# KiCad board radioboard_dev.kicad_pcb (continued)
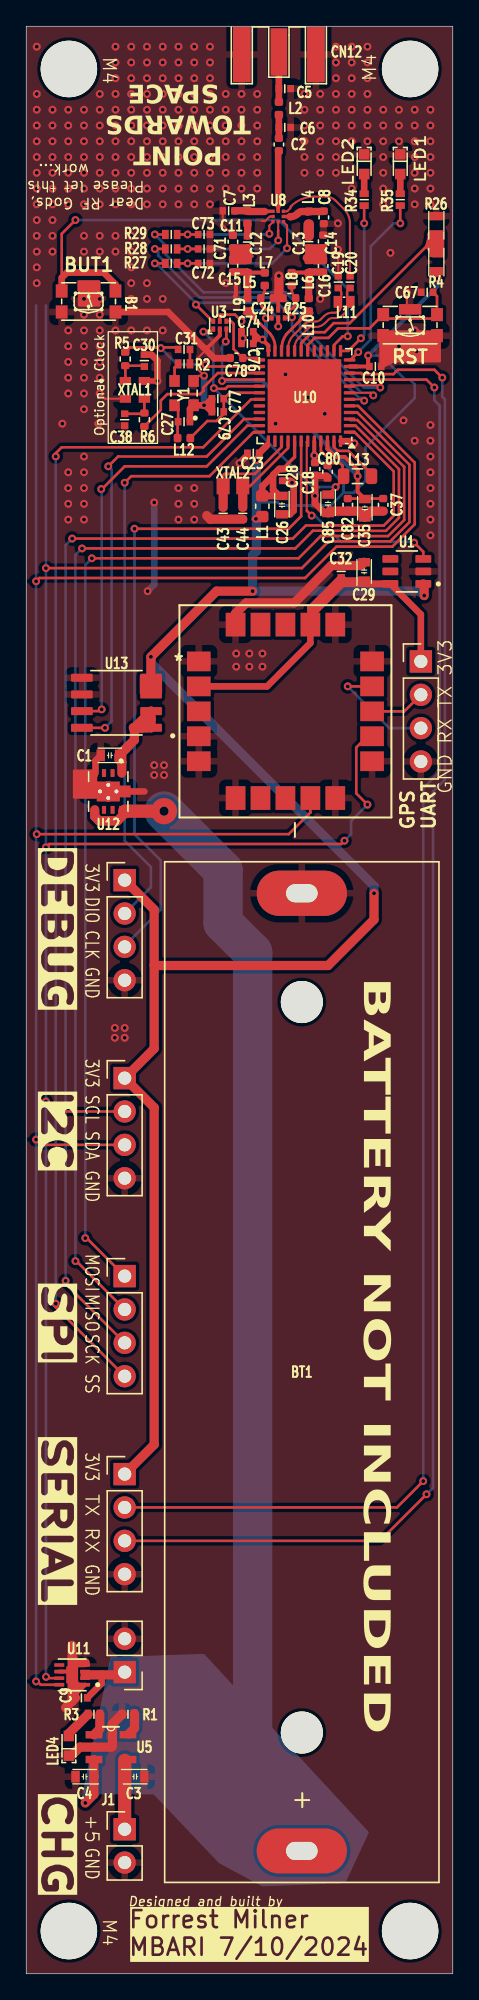
[diagram p0: board, top side]
## Nets
+3.3V: C10.1 C18.1 C23.1 J4.1 J6.1 J9.1 L1.1 R4.1 U1.1 U10.11 U10.37 U10.44 U13.3 U13.4
+5V: C3.2 J1.1 U5.4
GND: B1.2 B1.4 B1.5 B4.2 B4.4 B4.5 BT1.N C1.1 C3.1 C4.1 C5.1 C6.1 C7.1 C8.1 C9.2 C10.2 C11.1 C14.1 C18.2 C19.1 C23.2 C24.2 C25.2 C26.1 C27.1 C28.1 C29.1 C30.1 C32.2 C35.1 C37.2 C38.1 C43.2 C44.2 C67.1 C71.1 C72.1 C73.1 C74.1 C76.1 C77.2 C78.1 C79.1 C80.2 C82.1 C85.1 CN12.2 CN12.3 CN12.4 CN12.5 J1.2 J2.2 J3.4 J4.4 J6.4 J9.4 LED1.2 LED2.2 LED4.2 R1.2 R26.1 U1.2 U2.1 U2.4 U2.5 U2.6 U2.10 U2.11 U2.15 U2.16 U2.20 U3.2 U4.2 U5.2 U8.8 U10.48 U10.49 U11.1 U11.4 U11.6 U11.9 U12.4 U12.9 U13.5 U13.6 XTAL1.2 XTAL1.4 Y1.1 Y1.2
VBAT: BT1.P C4.2 C9.1 J2.1 U5.3 U11.2 U11.3 U12.5 U12.8
VDD_APP: U3.5 U4.5
VDDPA: C78.2 U3.4 U10.25
VDDRF: C35.2 C37.1 C82.2 U3.3 U10.28 U10.46
VDDRF1V55: C80.1 C85.2 L13.1 U3.1 U10.29 U10.45
/microcontroller_IOs/OSC32_IN: C43.1 U10.39 XTAL2.2
/microcontroller_IOs/OSC32_OUT: C44.1 U10.40 XTAL2.1
/microcontroller_RF/FE_CTRL1: R27.2 U3.6 U4.6 U10.6
/microcontroller_RF/FE_CTRL2: R28.2 U10.7
/microcontroller_RF/FE_CTRL3: R29.1 U10.8
BOOT0: R4.2 R26.2 U10.19
BUT1: B1.1 B1.3 U10.14
CURROUT: U10.35 U13.7
GPSPOW: U1.3 U10.43
GPSRXD: J3.3 U2.14
GPSTXD: J3.2 U2.13
LED1: R35.1 U10.12
LED2: R34.1 U10.13
LPUART1_RX: J4.3 U10.10
LPUART1_TX: J4.2 U10.9
NRST: B4.1 B4.3 C67.2 U10.18
OSC_IN: C31.2 R5.2 U10.26
OSC_OUT: R6.1 U10.27
PB0_VDD_TCXO: C77.1 C79.2 L12.2 U10.30
RFI_N: C19.2 L11.1 U10.21
RFI_P: C20.1 L11.2 U10.20
RFO_HP: L9.1 U10.23
RFO_LP: L10.1 U10.22
SCL: J9.2 U2.12 U10.4 U11.7
SDA: J9.3 U2.9 U10.5 U11.8
SPI1_MISO: J5.2 U10.2
SPI1_MOSI: J5.1 U10.3
SPI1_NSS: J5.4 U10.31
SPI1_SCK: J5.3 U10.1
SWCLK: J6.3 U10.42
SWDIO: J6.2 U10.36
VCURR: U10.34 U13.8
VGPS: C29.2 C32.1 J3.1 U1.6 U2.2 U2.17
VLXSMPS: L13.2 U10.47
VR_PA: C74.2 C76.2 U4.4 U10.24
Net-(C2-Pad1): C2.1 C6.2 L2.2
Net-(C11-Pad2): C11.2 C12.1 C15.2 L5.2
Net-(C12-Pad2): C12.2 L3.1
Net-(C13-Pad1): C13.1 C14.2 C16.2 L6.2
Net-(C13-Pad2): C13.2 L4.1
Net-(C15-Pad1): C15.1 L5.1 L7.2 L9.2
Net-(C16-Pad1): C16.1 L6.1 L8.2 L10.2
Net-(C30-Pad2): C30.2 R5.1 XTAL1.1
Net-(C31-Pad1): C31.1 R2.2
Net-(C38-Pad2): C38.2 R6.2 XTAL1.3
Net-(CN12-RF): C5.2 CN12.1 L2.1
Net-(LED1-Pad1): LED1.1 R35.2
Net-(LED2-Pad1): LED2.1 R34.2
Net-(LED4-Pad1): LED4.1 R3.2
Net-(U4-Y0): C24.1 L7.1 U4.3
Net-(U4-Y1): C25.1 L8.1 U4.1
Net-(U5-PROG): R1.1 U5.5
Net-(U5-STAT): R3.1 U5.1
Net-(U8-RF1): C20.2 U8.5
Net-(U8-RF2): C7.2 L3.2 U8.7
Net-(U8-RF3): C8.2 L4.2 U8.4
Net-(U8-RFin): C2.2 U8.6
Net-(U8-V1): C72.2 R27.1 U8.3
Net-(U8-V2): C71.2 R28.1 U8.2
Net-(U8-VDD): C73.2 R29.2 U8.1
Net-(U10-VDDA): C26.2 C28.2 L1.2 U10.41
Net-(U12-OUT): C1.2 U12.1 U13.1 U13.2
Net-(Y1-OUTPUT): R2.1 Y1.3
Net-(Y1-VDD): C27.2 L12.1 Y1.4

Pads without a net: U1 4 5; U2 3 7 8 18 19; U10 15 16 17 32 33 38; U11 5; U12 3

## Via types
v1: diameter 0.6, hole 0.3, Top to Bottom, 380 vias
v2: diameter 2, hole 0.7, Top to Bottom, 1 via

## Routing (per net, layer and track width the routed paths; a pad name or vN(x,y) marks a point on that pad's centre or on a via; arc(x,y) is an arc through that point)
+3.3V: length 170.9
  Top w0.3: U10.44 v1(21.95,115.58) 21.95,115.05 ; 25.22,122.35 U10.11 C10.1 26.05,122.45 v1(26.05,123.18)
  Top w0.5: 18.38,116.38 C23.1 17.75,115.43 v1(17.54,115.23)
  Top w0.7: 9.75,76.75 9.75,81 J6.1 ; 9.75,76.75 9.75,70.43 J9.1 9.75,65.93 9.75,40.28 J4.1 ; 9.75,76.75 23,76.75 26.5,80.25 v1(26.5,82.25) ; U1.1 30.32,105.73 v1(30.32,104.91) ; 9.5,98.12 v1(9.5,100.25) 14.5,105.25 v1(17.25,105.25)
  Bottom w0.2: v1(21.95,115.58) 22.02,115.58 24.17,113.42 24.17,112.73 ; 24.17,112.73 24.94,112.73 25.85,113.65 25.85,116.2 29.6,119.95 29.6,121 29.25,121.35 28.87,121.35 27.04,123.18 v1(26.05,123.18) ; 24.17,112.73 23.21,111.77 19.4,111.77 19.15,112.02 17.54,112.02
  Bottom w0.3: v1(31.34,129.04) 31.34,128.47 v1(26.05,123.18)
  Bottom w0.7: v1(9.5,100.25) 9.5,99.8 26.5,82.8 v1(26.5,82.25) ; v1(17.54,115.23) 17.54,110.79 v1(17.5,110.75) 17.54,110.71 17.54,108.29 17.25,108 v1(17.25,105.25) 29.99,105.25 v1(30.32,104.91)
GND: length 98.2
  Top w0.152: B4.5 29,126.95 v1(29,128) ; C19.1 23.77,131.22 v1(23.75,131.25) ; v1(5.6,120.3) 6,119.9 XTAL1.2 ; 17.93,133.43 18.21,133.43 18.54,133.75 18.58,133.76 18.75,133.77 U8.8 ; B1.5 4.75,127.85 v1(4.4,127.5) ; 14.98,134.2 14.98,133.1 C11.1 ; 13.7,123.62 13.04,122.96 13.04,122.16 v1(13.55,121.65) 13.15,121.65 Y1.2 ; 14.31,123 14.23,123.08
  Top w0.3: U11.6 3.25,23 U11.9 3.5,22.49 3.99,22 U11.1 3.75,21.26 C9.2 ; 19.2,128.15 19.2,127.58 ; 19.2,126.65 19.2,127.58 ; 19.2,127.58 19.6,127.58 ; 19.2,127.58 18.8,127.58 ; 15.87,127.67 15.97,127.78 15.97,128.53 ; U3.2 14.75,124.72 13.81,123.78 13.53,123.78
  Top w0.4: XTAL1.4 v1(10,121.25)
  Top w0.5: C27.1 12.48,119.12 Y1.1 v1(13.55,119.4) 13.65,119.4 ; C26.1 20.1,111.1 20.38,111.38 20.38,113.27 20.25,113.4 v1(20.25,113.5) 20.1,113.65 C28.1 ; 6.88,90 9,90 ; C85.1 22.73,111.2 22,111.94 v1(22,112.5) C18.2 22.03,114.04 22.9,114.04 ; 13.65,119.4 C79.1 C77.2 13.65,119.4 ; v1(16.25,115) 16.85,115.6 C23.2 ; v1(10,121.25) 10,122.78 9.54,123.25 C30.1 ; C78.1 15.52,122.98 14.33,122.98 10.81,126.5 B1.2 ; v1(25,116.5) 24.75,116.5 24.59,116.66 24.02,116.66 ; U12.4 5.27,92.35 C1.1
  Top w0.7: C29.1 25.5,107.2 C32.2 23.27,107.2 20.41,104.35 16.75,104.35 15.95,103.55 U2.20 ; 3.5,24 U11.9 3.5,20.75 ; 3.5,24 3.5,25 ; 3.5,24 3.82,23.69 4.48,23.69 ; R1.2 7.3,19.75 6.57,19.02 6.57,17.32 6.49,17.25 U5.2 4.08,17.25 3.43,16.6 LED4.2 ; C44.2 14.02,110.72 13.75,111 ; C37.2 26.25,111.34 25.8,110.89 25.35,111.34 C82.1 23.14,111.34 C85.1 ; C9.2 3.5,20.75 ; 3.5,20.75 3,20.25 ; v1(19.25,129.25) 19.25,128.05 19.2,128
  Bottom w0.5: v1(9.75,112) 9.75,105.75 v1(9.25,105.25) ; v1(13.55,121.65) 13.55,121.65 v1(13.55,119.4)
  vias: v1(0.8,146.7) v1(0.8,143.1) v1(0.8,141.9) v1(0.8,140.7) v1(0.8,139.5) v1(0.8,138.3) v1(0.8,137.1) v1(0.8,135.9) v1(0.8,134.7) v1(0.8,133.5) v1(0.8,132.3) v1(0.8,131.1) v1(0.8,129.9) v1(0.8,128.7) v1(2,141.9) v1(2,140.7) v1(2,139.5) v1(2,138.3) v1(2,137.1) v1(2,135.9) v1(2,134.7) v1(2,133.5) v1(2,132.3) v1(2,131.1) v1(2.75,118) v1(3.2,141.9) v1(3.2,140.7) v1(3.2,139.5) v1(3.2,138.3) v1(3.2,137.1) v1(3.2,135.9) v1(3.2,134.7) v1(3.2,125.1) v1(3.2,123.9) v1(3.2,122.7) v1(3.2,121.5) v1(3.2,120.3) v1(3.2,114.3) v1(3.2,113.1) v1(3.2,111.9) v1(3.2,110.7) v1(4.4,141.9) v1(4.4,140.7) v1(4.4,139.5) v1(4.4,138.3) v1(4.4,137.1) v1(4.4,135.9) v1(4.4,134.7) v1(4.4,132.3) v1(4.4,131.1) v1(4.4,126.3) v1(4.4,125.1) v1(4.4,123.9) v1(4.4,122.7) v1(4.4,121.5) v1(4.4,120.3) v1(4.4,119.1) v1(4.4,115.5) v1(4.4,114.3) v1(4.4,113.1) v1(4.4,111.9) v1(4.4,110.7) v1(5.5,118) v1(5.6,143.1) v1(5.6,141.9) v1(5.6,140.7) v1(5.6,139.5) v1(5.6,138.3) v1(5.6,137.1) v1(5.6,135.9) v1(5.6,134.7) v1(5.6,132.3) v1(5.6,131.1) v1(5.6,127.5) v1(5.6,126.3) v1(5.6,125.1) v1(5.6,123.9) v1(5.6,122.7) v1(5.6,121.5) v1(6.8,146.7) v1(6.8,145.5) v1(6.8,144.3) v1(6.8,143.1) v1(6.8,141.9) v1(6.8,140.7) v1(6.8,139.5) v1(6.8,138.3) v1(6.8,137.1) v1(6.8,135.9) v1(6.8,134.7) v1(6.8,132.3) v1(6.8,131.1) v1(6.8,125.1) v1(6.75,72) v1(6.75,71.25) v1(7.5,72) v1(7.5,71.25) v1(8,146.7) v1(8,145.5) v1(8,144.3) v1(8,143.1) v1(8,141.9) v1(8,140.7) v1(8,139.5) v1(8,138.3) v1(8,137.1) v1(8,135.9) v1(8,134.7) v1(8,132.3) v1(8,131.1) v1(8,129.9) v1(8,128.7) v1(8,127.5) v1(8,125.1) v1(9.2,146.7) v1(9.2,145.5) v1(9.2,144.3) v1(9.2,143.1) v1(9.2,141.9) v1(9.2,140.7) v1(9.2,139.5) v1(9.2,138.3) v1(9.2,137.1) v1(9.2,135.9) v1(9.2,134.7) v1(9.2,128.7) v1(9.2,127.5) v1(9.2,125.1) v1(9.75,92) v1(9.75,91.25) v1(10.4,146.7) v1(10.4,145.5) v1(10.4,144.3) v1(10.4,143.1) v1(10.4,141.9) v1(10.4,140.7) v1(10.4,139.5) v1(10.4,138.3) v1(10.4,137.1) v1(10.4,135.9) v1(10.4,134.7) v1(10.4,127.5) v1(10.4,125.1) v1(10.5,92) v1(10.5,91.25) v1(11.6,146.7) v1(11.6,145.5) v1(11.6,144.3) v1(11.6,143.1) v1(11.6,141.9) v1(11.6,140.7) v1(11.6,139.5) v1(11.6,138.3) v1(11.6,137.1) v1(11.6,135.9) v1(11.6,134.7) v1(11.6,113.1) v1(11.6,111.9) v1(11.6,110.7) v1(12.8,146.7) v1(12.8,145.5) v1(12.8,144.3) v1(12.8,143.1) v1(12.8,141.9) v1(12.8,140.7) v1(12.8,139.5) v1(12.8,138.3) v1(12.8,137.1) v1(12.8,135.9) v1(12.8,134.7) v1(12.8,113.1) v1(12.8,111.9) v1(12.8,110.7) v1(14,146.7) v1(14,145.5) v1(14,144.3) v1(14,143.1) v1(14,141.9) v1(14,140.7) v1(14,139.5) v1(14,138.3) v1(14,137.1) v1(14,135.9) v1(14,134.7) v1(15.2,143.1) v1(15.2,141.9) v1(15.2,140.7) v1(15.2,139.5) v1(15.2,138.3) v1(15.2,137.1) v1(15.2,135.9) v1(15.2,128.7) v1(16,100.5) v1(16,99.5) v1(16.4,143.1) v1(16.4,141.9) v1(16.4,140.7) v1(16.4,139.5) v1(16.4,138.3) v1(16.4,137.1) v1(16.4,135.9) v1(16.5,124.5) v1(17,100.5) v1(17,99.5) v1(17.6,143.1) v1(17.6,141.9) v1(17.6,140.7) v1(17.6,139.5) v1(17.6,138.3) v1(17.6,137.1) v1(17.6,135.9) v1(18,100.5) v1(18,99.5) v1(19,118) v1(19.75,121.75) v1(21.2,143.1) v1(21.2,141.9) v1(21.2,140.7) v1(21.2,139.5) v1(21.2,138.3) v1(21.2,137.1) v1(21.5,120) v1(22.4,143.1) v1(22.4,141.9) v1(22.4,140.7) v1(22.4,139.5) v1(22.4,138.3) v1(22.4,137.1) v1(22.4,127.5) v1(22.75,118.75) v1(23.6,146.7) v1(23.6,145.5) v1(23.6,144.3) v1(23.6,143.1) v1(23.6,141.9) v1(23.6,140.7) v1(23.6,139.5) v1(23.6,138.3) v1(23.6,137.1) v1(23.75,133.25) v1(24.8,146.7) v1(24.8,145.5) v1(24.8,144.3) v1(24.8,143.1) v1(24.8,141.9) v1(24.8,140.7) v1(24.8,139.5) v1(24.8,135.9) v1(26,146.7) v1(26,145.5) v1(26,144.3) v1(26,143.1) v1(26,141.9) v1(26,140.7) v1(26,139.5) v1(27.2,141.9) v1(27.2,140.7) v1(27.2,139.5) v1(27.2,138.3) v1(27.2,137.1) v1(27.2,135.9) v1(27.2,134.7) v1(27.75,131) v1(28.4,141.9) v1(28.4,140.7) v1(28.4,139.5) v1(28.4,123.9) v1(28.75,118.25) v1(29.6,141.9) v1(29.6,140.7) v1(29.6,139.5) v1(29.6,138.3) v1(29.6,137.1) v1(29.6,135.9) v1(29.6,134.7) v1(29.6,125.1) v1(29.6,116.7) v1(29.75,123.5) v1(30.8,141.9) v1(30.8,140.7) v1(30.8,139.5) v1(30.8,138.3) v1(30.8,137.1) v1(30.8,135.9) v1(30.8,134.7) v1(30.8,117.9) v1(30.8,116.7) v1(30.8,115.5) v1(30.8,114.3) v1(30.8,113.1) v1(30.8,111.9) v1(30.8,110.7) v1(30.8,109.5)
VBAT: length 95.6
  Top w0.2: 7.25,88.25 7.75,88.5 ; U12.5 5.27,88.3 ; 7.23,88.3 U12.8 ; v2(10.5,88.5) 10.4,88.6
  Top w0.4: 7.23,88.3 7.23,88.22 6.9,87.9 6.28,87.9 6.25,87.93 6.22,87.9 5.63,87.9 5.27,88.25 5.27,88.3
  Top w0.5: 5.75,22.75 5.75,22.1 C9.1
  Top w0.7: J2.1 7.29,22.75 4.5,22.75 ; 7.5,88.5 7.5,88.31 6.94,87.75 5.56,87.75 5.22,88.09 5.22,88.6 ; v1(4.5,13) 5.15,13.65 C4.2 5.16,15 U5.3
  Top w1: v2(10.5,88.5) 7.5,88.5
  Bottom w3: v2(10.5,88.5) 15,84 15,80 17.25,77.75 17.25,17.62 15.12,15.5
VDD_APP: length 7
  Top w0.2: U3.5 14.75,126.25 14.8,126.3 15.9,126.3 v1(16.4,125.8)
  Top w0.3: U4.5 v1(19.2,125.4)
  Bottom w0.2: v1(19.2,125.4) 19.2,126 18.58,126.62 17.22,126.62 v1(16.4,125.8)
VDDPA: length 4.9
  Top w0.2: U10.25 17.61,123 C78.2 16.48,123 15.8,123.68 15.8,125.6 15.6,125.8 U3.4
VDDRF: length 29.5
  Top w0.2: U3.3 15.25,124.3 v1(15.2,124.25) ; C37.1 25.84,112.3 C35.2 25.76,112.3 C82.2 ; 25.9,112.3 25.8,112.4 25.6,112.2 ; v1(14.92,121.25) 15.02,121.35 U10.28
  Top w0.3: C35.2 25.25,112.81 v1(25.25,114) ; v1(25.25,114) 25.25,114.49 24.27,115.47 23.55,115.47 22.95,116.07 U10.46 ; v1(25.25,114) 25.2,113.95
  Bottom w0.2: 15.25,124.25 14.92,123.92 v1(14.92,121.25)
  Bottom w0.3: v1(25.25,114) 18,121.25 v1(14.92,121.25)
VDDRF1V55: length 27.4
  Top w0.152: 22.9,115 22.9,115.03
  Top w0.2: C80.1 22.96,115.42 22.45,115.93 U10.45 ; v1(14.3,120.7) 14.35,120.65 15.17,120.65 15.37,120.85 U10.29 ; 22.9,115 23.9,115 24.1,114.8 24.1,113.7 v1(23.58,113.17) C85.2 ; v1(13.5,125) 14.05,125 U3.1
  Bottom w0.2: v1(13.5,125) 14.25,124.25 14.25,120.75 v1(14.3,120.7) 21.83,113.17 v1(23.58,113.17)
/microcontroller_IOs/OSC32_IN: length 8.4
  Top w0.2: XTAL2.2 15,114.07 15.1,114.17 17.41,114.17 19.45,116.21 U10.39
  Top w0.7: C43.1 15,113.37
/microcontroller_IOs/OSC32_OUT: length 6.9
  Top w0.2: U10.40 19.95,116.14 17.06,113.25 XTAL2.1
  Top w0.7: C44.1 16.5,113.38 ; 16.5,113.25 16.5,113.25
/microcontroller_RF/FE_CTRL1: length 25.6
  Top w0.152: v1(25.75,119.75) 25.65,119.85 U10.6
  Top w0.2: R27.2 v1(9.8,130.2) 10,130.2 ; 20.35,126.05 20.3,126.05 v1(20.25,126.1) 20.2,126.05 U4.6 ; U3.6 14.2,125.8 v1(12.93,127.06)
  Bottom w0.2: v1(9.8,130.2) 9.9,130.2 12.9,127.2 19.15,127.2 v1(20.25,126.1) 20.25,125.08 25.38,119.95 25.55,119.95 v1(25.75,119.75)
/microcontroller_RF/FE_CTRL2: length 25.1
  Top w0.152: U10.7 26.25,120.35 v1(26.45,120.15)
  Top w0.2: R28.2 v1(9.8,131.3) 10,131.3
  Bottom w0.2: v1(26.45,120.15) 26.24,120.35 25.55,120.35 20.85,125.05 20.85,126.35 19.6,127.6 13.2,127.6 10.4,130.4 10.4,130.45 10.05,130.8 10.05,131.05 v1(9.8,131.3)
/microcontroller_RF/FE_CTRL3: length 26.4
  Top w0.152: U10.8 24.7,120.91 26.81,120.91 v1(26.97,120.75)
  Top w0.2: R29.1 v1(9.8,132.4)
  Bottom w0.2: v1(26.97,120.75) 26.69,120.75 25.72,120.75 21.25,125.21 21.25,126.51 19.76,128 13.5,128 10.6,130.9 10.6,131.6 v1(9.8,132.4)
BOOT0: length 17.4
  Top w0.2: 30.5,131.5 30.75,131.5 R4.2 ; 30.5,131.5 24.65,125.65 23.43,125.65 22.74,124.96 21.78,124.96 21.08,124.26 21.06,124.26 21.02,124.22 20.95,124.12 U10.19 ; 30.5,131.5 31.25,132.25 R26.2
  Top w0.5: 31,131 31.2,131 31.2,132.4 30.8,132.4
BUT1: length 40.4
  Top w0.2: 3.75,133.65 v1(3.75,133.5) 2.7,132.45 B1.3 ; U10.14 23.45,123.99 24.11,124.65 v1(24.5,124.65)
  Top w0.5: B1.3 2.7,129.1 3.1,129.5 5.9,129.5 6.8,128.6 B1.1
  Bottom w0.2: v1(3.75,133.5) 19.25,133.5 24.5,128.25 v1(24.5,124.65)
CURROUT: length 32.4
  Top w0.2: U13.7 5.61,96.11 v1(5.75,96.25) ; U10.35 16.85,117.85 13.75,114.75 7.5,114.75 5.77,113.02 v1(5.71,113.02)
  Bottom w0.2: 5.75,113 v1(5.75,96.25)
GPSPOW: length 16.3
  Top w0.152: U10.43 21.37,116.59 21.37,111.38 21.46,111.29
  Top w0.2: 21.38,111.38 v1(21.75,111) ; v1(29.56,108.94) 30.26,108.25 U1.3 ; 21.38,116.59 U10.43
  Bottom w0.2: v1(29.56,108.94) 29.5,109 24,109 22,111 v1(21.75,111)
GPSRXD: length 8.7
  Top w0.2: U2.14 v1(24.5,98)
  Bottom w0.2: 30,94.82 27.68,94.82 v1(24.5,98)
GPSTXD: length 4.2
  Top w0.2: U2.13 28.81,96.1 J3.2
LED1: length 13.7
  Top w0.2: v1(28.5,133.25) R35.1 ; v1(25.3,123.45) 24.7,122.85 U10.12
  Bottom w0.2: v1(28.5,133.25) 28,133.25 26.25,131.5 26.25,124.4 v1(25.3,123.45)
LED2: length 12.2
  Top w0.2: U10.13 24.54,123.54 v1(25.5,124.5) ; v1(25.75,133.25) R34.1
  Bottom w0.2: v1(25.5,124.5) 25.75,124.75 v1(25.75,133.25)
LPUART1_RX: length 117.6
  Top w0.2: v1(31.7,121.5) 31.1,122.1 28.31,122.1 27.98,121.77 25.59,121.77 25.52,121.85 U10.10 ; v1(30.5,36.5) 26.95,32.96 7.5,32.96
  Bottom w0.2: v1(30.5,36.5) 31,37 31,90 31.9,90.9 31.9,119.85 31.7,120.05 v1(31.7,121.5)
LPUART1_TX: length 114.2
  Top w0.2: U10.9 30.5,121.35 v1(31.1,120.75) ; v1(30.25,37.5) 28.24,35.5 J4.2
  Bottom w0.2: v1(30.25,37.5) 30.25,90.25 31.5,91.5 31.5,119.37 31.1,119.77 v1(31.1,120.75)
NRST: length 12.5
  Top w0.2: B4.3 26.15,125.25 23.75,125.25 23.03,124.53 21.99,124.53 21.45,123.99 U10.18 ; C67.2 31.3,127.7 B4.1 ; 31,126 27.5,126
OSC_IN: length 12.4
  Top w0.2: 11.58,123.65 11.42,123.81 7.91,123.81 R5.2 ; v1(13.65,122.5) 13.8,122.35 U10.26 17.7,122.29
  Bottom w0.2: v1(10.25,123.75) 11.5,122.5 v1(13.65,122.5)
OSC_OUT: length 11
  Top w0.2: 17.73,121.88 U10.27 14.6,121.85 13.5,120.75 13.5,120.5 13.25,120.25 10.75,120.25 10.25,119.75 10.25,119.04 R6.1
PB0_VDD_TCXO: length 7.4
  Top w0.2: U10.30 15.5,120.35 C79.2 C77.1 15.05,118.75 14.5,118.2 13.8,118.2 L12.2
RFI_N: length 7.3
  Top w0.152: 22.7,126.2 22.44,125.93 arc(22.26,125.82) 22.06,125.78 21.73,125.78 arc(21.43,125.72) 21.18,125.55 20.36,124.73 arc(20.06,124.27) 19.95,123.73 ; 23.83,126.58 23.86,126.61 arc(23.92,126.7) 23.94,126.8 arc(23.9,127.02) 23.77,127.2 ; 23.75,128.35 23.93,128.16 arc(23.99,128.08) 24.01,127.97 24.01,127.85 arc(23.96,127.59) 23.81,127.36 23.75,127.3 23.85,127.2 ; 23.82,126.57 arc(23.69,126.48) 23.52,126.45 23.31,126.45 arc(22.98,126.38) 22.7,126.2
RFI_P: length 7.2
  Top w0.152: 23.02,125.91 22.75,125.64 arc(22.44,125.43) 22.07,125.36 21.74,125.36 arc(21.61,125.33) 21.49,125.26 20.75,124.51 arc(20.54,124.2) 20.46,123.83 ; 24.7,128.35 24.51,128.16 arc(24.45,128.08) 24.43,127.97 24.43,127.85 arc(24.49,127.59) 24.63,127.36 24.7,127.3 24.5,127.1 arc(24.41,126.96) 24.38,126.81 24.38,126.73 arc(24.34,126.54) 24.23,126.37 24.14,126.28 arc(23.86,126.1) 23.54,126.04 23.33,126.04 arc(23.16,126) 23.01,125.91
RFO_HP: length 3.6
  Top w0.21: 16.92,126.6 arc(16.94,126.52) 16.98,126.45 18.49,124.95 arc(18.54,124.89) 18.6,124.83 arc(18.88,124.33) 18.97,123.78
RFO_LP: length 3.6
  Top w0.21: 21.46,126.45 21.46,126.45 ; 21.46,126.45 19.96,124.95 arc(19.9,124.89) 19.85,124.83 arc(19.57,124.33) 19.47,123.78 ; 21.46,126.45 arc(21.46,126.45) 21.46,126.45 ; 21.46,126.45 arc(21.51,126.52) 21.52,126.6
SCL: length 184.3
  Top w0.2: J9.2 2.26,65.64 v1(1.5,66.4) ; v1(1.5,107) 21,107 23.04,109.04 27.74,109.04 29.2,110.5 29.2,114.87 25.22,118.85 U10.4 ; v1(1.5,85.75) 1.75,86 24,86 v1(24.25,86.25) ; v1(26,89) 25.15,89.85 25.15,93.35 26,94.2 U2.12 ; v1(1.51,22.6) 1.61,22.5 U11.7
  Bottom w0.2: 1.5,127 1.5,22.5 ; v1(24.25,86.25) 24.75,86.75 24.75,87.75 v1(26,89)
SDA: length 178.6
  Top w0.2: 0.85,63.5 1.25,63.1 J9.3 ; 0.85,63.5 0.75,63.6 v1(0.75,63.5) 0.85,63.5 ; 0.85,22.25 v1(0.75,22.25) 0.75,22.35 0.85,22.25 ; 0.85,22.25 1.1,22 U11.8 ; U2.9 21.65,88.4 20,86.75 v1(0.8,86.75) ; U10.5 25.29,119.35 29.6,115.04 29.6,110.34 27.9,108.64 23.64,108.64 21.25,106.25 1,106.25 v1(0.75,106) 0.85,106
  Bottom w0.2: 0.75,22.5 0.75,127
SPI1_MISO: length 93.7
  Top w0.2: J5.2 3.82,54.25 v1(3.75,54.25) ; v1(4.25,108.5) 20.5,108.5 21.85,109.85 24.89,109.85 24.9,109.84 27.41,109.84 28.4,110.83 28.4,114.54 25.09,117.85 U10.2
  Bottom w0.2: v1(4.25,108.5) 3.75,108 v1(3.75,54.25)
SPI1_MOSI: length 90.9
  Top w0.2: U10.3 24.71,118.28 25.23,118.28 28.8,114.71 28.8,110.67 27.57,109.44 24.73,109.44 24.72,109.45 22.45,109.45 20.75,107.75 v1(5,107.75) ; v1(4.5,56) 4.61,56 J5.1
  Bottom w0.2: v1(4.5,56) 4.5,107.25 v1(5,107.75)
SPI1_NSS: length 89.6
  Top w0.2: v1(2.25,51) 2.25,50.74 J5.4 ; v1(2.25,115.5) 2.25,115.75 2.7,116.2 13.48,116.2 17.13,119.85 U10.31
  Bottom w0.2: v1(2.25,115.5) v1(2.25,51)
SPI1_SCK: length 96.5
  Top w0.2: J5.3 3,52.53 v1(3,52.75) ; v1(3.5,109.25) 20.32,109.25 21.32,110.25 25.05,110.25 25.06,110.24 27.24,110.24 28,111 28,114.37 25.02,117.35 U10.1
  Bottom w0.2: v1(3.5,109.25) 3,108.75 v1(3,52.75)
SWCLK: length 52.6
  Top w0.2: U10.42 20.95,110.95 20,110 v1(8.25,110)
  Bottom w0.2: J6.3 7.5,78.25 10.25,81 10.25,84.75 8.25,86.75 v1(8.25,110)
SWDIO: length 46.3
  Top w0.2: U10.36 17.31,117.35 13.97,114 8,114 v1(7.5,113.5)
  Bottom w0.2: J6.2 9.5,82.71 9.5,84.25 7.5,86.25 v1(7.5,113.5)
VCURR: length 35
  Top w0.2: U10.34 16.6,118.35 13.75,115.5 7,115.5 v1(6.25,114.75) ; v1(6,94.84) U13.8
  Bottom w0.2: v1(6.25,114.75) 6.5,114.5 6.5,95.34 v1(6,94.84)
VGPS: length 34.5
  Top w0.5: U2.2 18.35,98 21.65,101.3 U2.17 ; U2.17 21.65,103.95 C32.1 24.25,106.05 C29.2 26,105.8 U1.6 ; U2.17 21.65,103.35 24.1,105.8 U1.6 ; U1.6 30.07,103.47 J3.1 30,99.9
VLXSMPS: length 4.3
  Top w0.2: U10.47 23.45,116.21 23.74,115.92 24.55,115.92 26.23,114.25 26.23,114
VR_PA: length 6.1
  Top w0.2: C74.2 C76.2
  Top w0.3: C76.2 17.6,124.4 v1(18,124.4) ; C74.2 17.9,124.4 v1(18,124.4) ; 18.47,123.56 U10.24 18.45,123.95 v1(18,124.4) ; 18.7,126.05 18.44,126.05 arc(18.38,126.07) 18.32,126.05 18.29,126.02 v1(18.27,126.02) 18.27,125.96 18.26,125.95 arc(18.23,125.95) 18.2,125.95
  Bottom w0.3: v1(18,124.4) 18.27,124.67 v1(18.27,126.02)
Net-(C2-Pad1): length 1.8
  Top w0.5: 19.25,141.55 C6.2 19.25,139.72
Net-(C11-Pad2): length 9.7
  Top w0.2: 15.9,130.22 16.12,130.45 16.32,130.45 ; 15.77,130.28 15.72,130.22 15.6,130.22 ; 15.77,130.28 15.77,130.22 ; 15.77,130.28 15.82,130.22 ; 15.77,130.28 15.95,130.45 ; 15.77,130.28 15.77,130.45 ; 16.87,130.45 16.9,130.47 16.95,130.47 17.22,130.75 16.85,131.12 16.8,131.12
  Top w0.55: 16.87,131.38 16.87,130.45 ; 16.87,131.38 15.77,131.38 ; 16.87,131.38 16.32,130.82 ; 15.77,131.38 16.32,130.82 ; 15.77,131.38 15.77,130.45 15.95,130.45 ; 16.32,130.45 16.87,130.45 ; 16.87,130.45 16.7,130.45 16.32,130.82 ; 16.32,130.82 15.95,130.45 ; 15.95,130.45 16.12,130.45
  Top w0.65: 15.95,130.45 16.7,130.45
Net-(C12-Pad2): length 0.9
  Top w0.55: 16.87,132.28 16.87,133.2
Net-(C13-Pad1): length 8.7
  Top w0.2: 22.8,130.22 21.92,130.22 21.7,130.45 21.52,130.45
  Top w0.55: 21.52,131.38 22.62,131.38 ; 21.52,131.38 21.52,130.8 ; 21.52,131.38 22.07,130.82 ; 22.62,131.38 22.62,130.45 ; 22.62,131.38 22.07,130.82 ; 21.52,130.8 21.35,130.62 21.52,130.45 21.52,130.8 ; 21.52,130.8 21.6,130.88 21.6,130.95 ; 22.45,130.45 22.62,130.45 ; 22.45,130.45 21.7,130.45 22.07,130.82 ; 22.45,130.45 22.07,130.82 ; 22.45,130.45 22.62,130.45
Net-(C13-Pad2): length 0.9
  Top w0.2: 21.52,133.16 L4.1
  Top w0.8: C13.2 21.52,133.16
Net-(C15-Pad1): length 4.4
  Top w0.3: 16.87,129.5 18.17,129.5
  Top w0.55: 15.77,129.55 16.82,129.55 16.87,129.5 16.87,127.55
Net-(C16-Pad1): length 4.4
  Top w0.21: 21.52,128.38 21.52,128.53
  Top w0.3: 20.22,129.5 21.52,129.5
  Top w0.55: 21.52,128.53 21.52,129.5 21.57,129.55 22.62,129.55 ; 21.52,127.55 21.52,128.38
Net-(C30-Pad2): length 2.7
  Top w0.2: XTAL1.1 7.55,122.24 7.54,122.25 R5.1 8.94,122.41 C30.2
Net-(C31-Pad1): length 1.1
  Top w0.2: C31.1 R2.2
Net-(C38-Pad2): length 2.6
  Top w0.2: XTAL1.3 R6.2 8.94,118.75 C38.2
Net-(CN12-RF): length 3.5
  Top w0.5: 19.25,142.45 19.25,145.95
Net-(LED1-Pad1): length 1.5
  Top w0.5: R35.2 LED1.1
Net-(LED2-Pad1): length 1.5
  Top w0.5: R34.2 LED2.1
Net-(LED4-Pad1): length 2.3
  Top w0.7: LED4.1 3.25,18.29 R3.2
Net-(U4-Y0): length 2.5
  Top w0.21: 18.7,126.65 18.51,126.65 arc(18.24,126.7) 18.02,126.85 arc(17.93,126.99) 17.9,127.15 17.9,127.58 arc(18.1,127.88) 18.17,128.24 18.17,128.55
Net-(U4-Y1): length 2.5
  Top w0.21: 20.22,128.55 20.22,128.24 arc(20.29,127.88) 20.5,127.58 20.5,127.15 arc(20.47,126.99) 20.37,126.85 arc(20.15,126.7) 19.89,126.65 19.7,126.65
Net-(U5-PROG): length 1.7
  Top w0.7: 7.8,18.24 8.25,18.69 8.25,19.81
Net-(U5-STAT): length 2.3
  Top w0.2: 5.73,18.19 U5.1
  Top w0.7: R3.1 5.61,18.64 U5.1
Net-(U8-RF1): length 10.8
  Top w0.152: 24.67,129.2 24.66,129.22 24.66,133.37 arc(24.52,133.89) 24.21,134.34 23.56,134.99 arc(23.23,135.21) 22.84,135.29 21.96,135.29 arc(20.99,135.09) 20.17,134.54 ; 19.6,134.16 19.85,134.16 arc(19.9,134.19) 19.95,134.23 ; 19.95,134.22 20.08,134.35 arc(20.13,134.43) 20.15,134.53 ; 20.13,134.41 arc(20.15,134.5) 20.2,134.58
Net-(U8-RF2): length 6.1
  Top w0.2: 18.13,134.15 18.08,134.2 C7.2
  Top w0.24: 18.13,134.16 18.59,134.16 ; 18.59,134.16 18.8,134.16 ; 18.59,134.16 arc(18.39,134.12) 18.22,134 ; 18.56,134.16 arc(18.36,134.2) 18.19,134.32
  Top w0.55: 18.13,134.15 16.91,134.15 L3.2 15.88,134.21 15.87,134.2
Net-(U8-RF3): length 3.8
  Top w0.24: 19.6,133.77 19.75,133.77 ; 19.75,133.77 19.77,133.77 ; 19.75,133.77 arc(19.9,133.8) 20.03,133.89 ; 20.06,133.75 20.07,133.76 ; 19.77,133.77 20.06,133.77 ; 19.77,133.77 arc(19.9,133.74) 20.01,133.67
  Top w0.55: 20.2,133.75 20.12,133.75 arc(20.42,133.81) 20.68,133.98 20.72,134.03 arc(20.86,134.12) 21.02,134.15 22.62,134.15 ; 21.4,134.1 21.45,134.1
Net-(U8-RFin): length 4.8
  Top w0.25: 19.2,134.33 19.2,134.15 ; 19.2,134.33 arc(19.22,134.46) 19.3,134.57 ; 19.2,134.33 arc(19.17,134.46) 19.1,134.57
  Top w0.5: 19.2,134.68 19.2,138.78
Net-(U8-V1): length 11.8
  Top w0.152: v1(19.88,131.35) 19.88,133.07 19.6,133.35
  Top w0.2: R27.1 v1(12.3,130.2) C72.2
  Bottom w0.2: v1(12.3,130.2) 18.73,130.2 v1(19.88,131.35)
Net-(U8-V2): length 10.2
  Top w0.152: 19.2,131.93 19.2,131.95 v1(19.2,131.95) 19.2,131.95 ; 19.2,132.7 19.2,133.35
  Top w0.2: R28.1 v1(12.3,131.3) C71.2 ; 19.2,132.7 19.2,131.95 v1(19.2,131.95)
  Bottom w0.2: v1(12.3,131.3) 18.55,131.3 v1(19.2,131.95)
Net-(U8-VDD): length 9.1
  Top w0.152: 18.8,133.35 18.52,133.07 v1(18.52,132.45) 18.52,132.7
  Top w0.2: R29.2 v1(12.3,132.4) C73.2
  Bottom w0.2: v1(12.3,132.4) 18.48,132.4 v1(18.52,132.45)
Net-(U10-VDDA): length 11.7
  Top w0.2: 18.84,114.08 18.84,113.15 C26.2
  Top w0.25: C28.2 20.45,115.47 U10.41
  Top w0.5: L1.2 19.25,112.5 18.8,112.94 18.8,114.08 ; L1.2 C26.2 ; L1.2 17.98,113.23 18.84,114.08 18.84,114.12 19.26,114.55 C28.2
Net-(U12-OUT): length 12.5
  Top w0.7: 8.17,94.84 8.24,94.84 ; 8.17,94.84 U13.1 9.51,95.5 ; 8.17,94.84 8.86,94.84 9.51,95.5 ; 8.24,94.84 8.24,93.92 7.79,93.46 ; 8.24,94.84 U13.2 9.51,95.5 ; 8.24,94.84 9.17,94.84 ; 7.79,93.46 C1.2 7.07,92.42 7.28,92.22 ; 7.79,93.46 7.28,92.95 7.28,92.22 ; 7.28,92.22 7.28,91.4
Net-(Y1-OUTPUT): length 1.4
  Top w0.2: Y1.3 11.3,122.28 11.58,122.55
Net-(Y1-VDD): length 2.6
  Top w0.2: L12.1 11.53,118.1 11.58,118.15 11.58,119.12 Y1.4
+5V: length 5.2
  Top w1: J1.1 7.5,16.25

## Copper pours and planes (outline as drawn; the poured copper is in the pictures)
+3.3V on Top (solid shape): 8.75,98.75 8.75,97.5 10.25,97.5 10.25,98.75
GND on Top (solid shape): 4.42,21.85 3.5,22.25 3.5,21
GND on Top (solid shape): 4.04,128.79 4.04,127.01 5.56,127.01 5.56,128.79
GND on Top (solid shape): 31.5,125 27,125 27,122.25 28,122.75 31.5,122.75
GND on Top, Bottom, In1.Cu, In2.Cu: 0,148.25 0,0 32.5,0 32.5,148.25
VBAT on Bottom (solid shape): 4.5,13 5.5,13.75 9.75,13.75 14.75,8.5 18,6.75 24.25,7 26,10.75 13.5,24.25 6.5,24 4.25,13
BOOT0 on Top (solid shape): 30.75,132.5 30.5,131.5 31,130.75 31.75,130.75 31.75,132.5
RFO_HP on Top (solid shape): 16.6,126.4 17.6,125.8 17.1,126.8
RFO_LP on Top (solid shape): 21.8,126.4 20.8,125.8 21.3,126.8

Small or netless copper shapes (teardrops, artwork), in the pictures only: 1 on Top

## Text on the board
B.Silkscreen: 3V3 | DIO | CLK | GND | SCL | SDA | MOSI | MISO | SCK | SS | TX | RX | +5 | - | + | Kinéis Radio Board / Engineer: Forrest Milner / Mentor: Thom Maughan / Summer 2024 / MBARI | DEBUG | I2C | SPI | SERIAL | B | CHG
F.Silkscreen: Designed and built by | Optional Clock | Dear RF Gods, / Please let this / work... | 3V3 | DIO | CLK | GND | SCL | SDA | MOSI | MISO | SCK | SS | TX | RX | +5 | GND RX TX 3V3 | BUT1 | RST | GPS / UART | Forrest Milner / MBARI 7/10/2024 | DEBUG | I2C | SPI | SERIAL | CHG | POINT / TOWARDS / SPACE | BATTERY NOT INCLUDED
plugins.config: { / "ViaStitching": "0.2", / "stich area": { / "HSpacing": "1", / "VSpacing": "1", / "Clearance": "1", / "Randomize": false / } / }
